# Altium PCB EPS.PcbDoc (part 7 of 11) (continued)
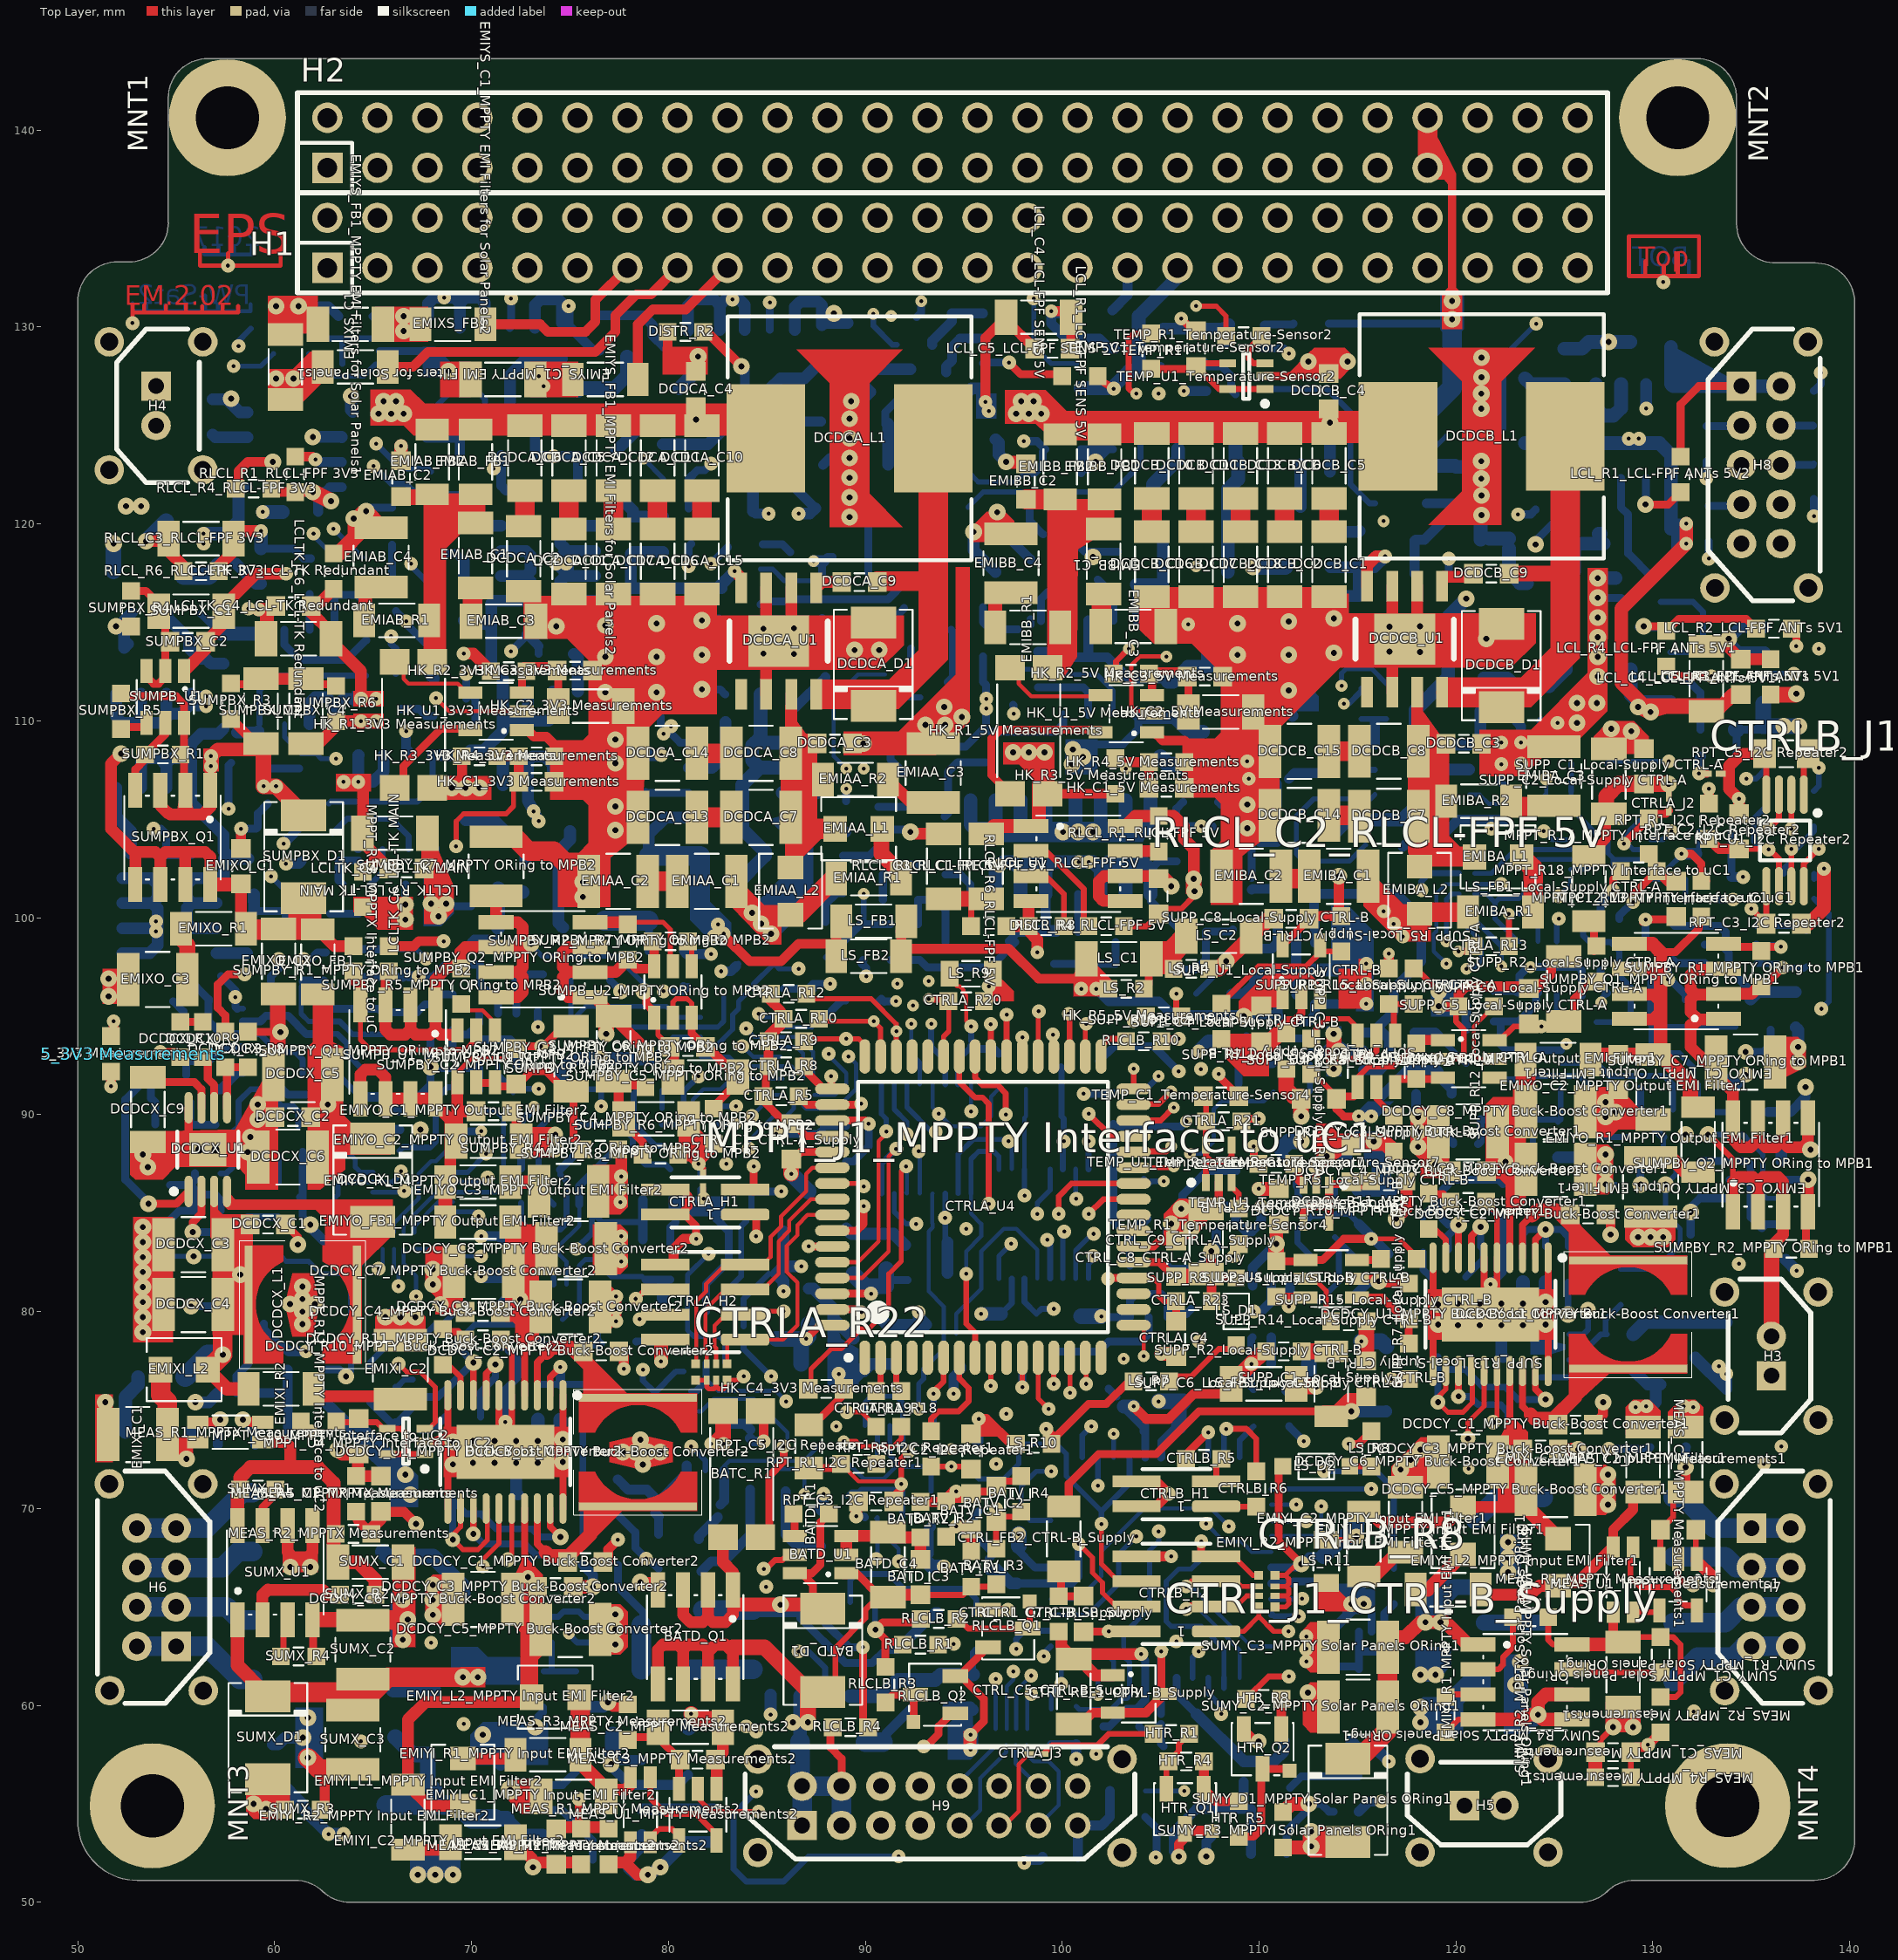
[diagram p0: Top Layer view]
## Nets (pads, with @x,y where several pads share a name; then routed paths per layer and width w, separated by ;. In a path a pad name is that pad's centre, name@x,y a point inside that pad or via, vN(x,y) a via of type N, cw(c..) or ccw(c..) an arc to the next point about the centre after c; other vN are vias at no path point) (continued)
  Top Layer w0.7: SUMPBX_Q1.D@56.731,101.689 EMIXO_C1.1@58.266,101.689
  Signal 1 w0.6: v2(52.197,108.331) 52.197,110.998 57.912,116.713 59.944,116.713 60.579,117.348 v1(60.579,117.475)
NetEMIXO_C3_1: EMIXO_C3.1 EMIXO_R1.1 | length 2.8
  Top Layer w0.8: EMIXO_R1.1@55.119,99.441 55.119,99.059 55.564,98.614 EMIXO_C3.1@55.564,96.863
NetEMIXS_C1_1: EMIXS_C1.1 EMIXS_FB1.1 SUMX_D1.A SUMX_R3.1 | length 93
  Top Layer w0.3: EMIXS_C1.1@65.493,130.137 EMIXS_C1.1@65.874,130.518
  Top Layer w0.5: SUMX_D1.A@59.642,56.242 60.217,56.242 60.53,55.929 SUMX_R3.1@60.53,54.699
  Power w1: v2(58.928,54.991) 58.928,61.341 57.023,63.246 57.023,69.088 58.039,70.104 58.039,71.726 51.943,77.822 51.943,90.043 52.033,90.133 52.125,90.133 53.086,91.094 53.086,97.536 51.562,99.06 51.562,104.775 53.594,106.807 53.594,108.839 52.578,109.855 52.578,113.538 54.864,115.824 54.864,120.142 55.626,120.904 57.531,120.904 58.42,121.793 58.42,123.952 60.452,125.984 61.849,125.984 62.611,126.746 62.611,127.889 64.897,130.175 66.091,130.175 v2@66.51,129.756
  other v2: 59.563,54.737 66.548,129.794 66.548,130.556
NetEMIXS_C2_1: EMIXS_C2.1 EMIXS_C3.1 EMIXS_FB2.1 EMIXS_FB3.1 SUMX_C2.1 SUMX_C3.1 SUMX_D1.K SUMX_U1.1 | length 63.6
  Top Layer w0.7: SUMX_U1.1@58.113,64.344 58.113,62.029 SUMX_D1.K@59.474,60.668
  Top Layer w1: SUMX_D1.K@59.474,60.668 64.986,60.668 65.748,61.43 v2@69.431,61.43
  Power w1.5: 71.971,61.557 78.524,61.557 78.994,61.087 88.189,61.087 89.078,60.198 95.758,60.198 96.774,59.182 105.664,59.182 108.204,56.642 113.03,56.642 115.913,59.525 117.818,59.525
  other v2: 118.199,59.144 118.199,59.906 69.558,61.43 70.32,61.43
NetEMIXS_FB2_2: EMIXS_FB2.2 EMIXS_T1.4 | length 5.2
  Bottom Layer w0.8: EMIXS_T1.4@65.492,67.804 65.732,67.564 68.042,67.564 69.558,66.048 EMIXS_FB2.2@69.558,65.621
NetEMIXS_FB3_2: EMIXS_FB3.2 EMIXS_T2.4 | length 3
  Bottom Layer w0.8: EMIXS_FB3.2@121.397,64.2 EMIXS_T2.4@124.424,64.2
NetEMIXS_T1_1: EMIXS_T1.1 H6.3 H6.7 | length 6.2
  Bottom Layer w1: H6.7@53,67 H6.3@55,67 57.348,67 58.152,67.804 EMIXS_T1.1@58.892,67.804
NetEMIXS_T1_2: EMIXS_T1.2 H6.4 H6.8 | length 6.6
  Bottom Layer w1: H6.8@53,69 H6.4@55,69 56.554,69 58.358,70.804 EMIXS_T1.2@58.892,70.804
NetEMIXS_T2_1: EMIXS_T2.1 H7.3 H7.7 | length 6.3
  Bottom Layer w1: EMIXS_T2.1@131.024,64.2 133.669,64.2 134.469,65 H7.3@135,65 H7.7@137,65
NetEMIXS_T2_2: EMIXS_T2.2 H7.4 H7.8 | length 6.7
  Bottom Layer w1: EMIXS_T2.2@131.024,61.2 132.27,62.446 134.074,62.446 134.628,63 H7.4@135,63 H7.8@137,63
"NetEMIYI_C1_MPPTY Input EMI Filter1_1": "EMIYI_C1_MPPTY Input EMI Filter1.1" "EMIYI_L2_MPPTY Input EMI Filter1.2" "EMIYI_R1_MPPTY Input EMI Filter1.1" "MEAS_R1_MPPTY Measurements1.4" | length 10.2
  Top Layer w0.5: 127.986,68.033 127.986,68.931 128.994,69.939 128.994,70.574
  Top Layer w0.6: 121.246,65.875 121.5,65.621 123.787,65.621 124.238,66.072 125.184,66.072 ; 125.692,66.256 126.209,66.256 127.986,68.033
"NetEMIYI_C1_MPPTY Input EMI Filter2_1": "EMIYI_C1_MPPTY Input EMI Filter2.1" "EMIYI_L2_MPPTY Input EMI Filter2.2" "EMIYI_R1_MPPTY Input EMI Filter2.1" "MEAS_R1_MPPTY Measurements2.4" | length 7.1
  Top Layer w0.6: 76.796,55.461 77.05,55.715 77.813,55.715 78.075,55.977 78.075,56.349
  Top Layer w0.7: 75.526,57.493 75.526,57.062 76.669,55.919 76.669,55.461
  Top Layer w1: 75.457,60.16 75.526,60.091 75.526,57.493
"NetEMIYI_C2_MPPTY Input EMI Filter1_1": "EMIYI_C2_MPPTY Input EMI Filter1.1" "EMIYI_R2_MPPTY Input EMI Filter1.1" | length 2.6
  Top Layer w0.7: 115.316,66.675 115.95,66.675 117.056,67.781 117.437,67.781
"NetEMIYI_C2_MPPTY Input EMI Filter2_1": "EMIYI_C2_MPPTY Input EMI Filter2.1" "EMIYI_R2_MPPTY Input EMI Filter2.1" | length 2.3
  Top Layer w0.6: 66.764,52.668 68.544,52.668 68.924,53.048
"NetEMIYI_L1_MPPTY Input EMI Filter1_2": "EMIYI_L1_MPPTY Input EMI Filter1.2" "EMIYI_R1_MPPTY Input EMI Filter1.2" | length 3.2
  Top Layer w0.7: 117.946,65.875 118.567,65.875 120.358,67.666
"NetEMIYI_L1_MPPTY Input EMI Filter2_2": "EMIYI_L1_MPPTY Input EMI Filter2.2" "EMIYI_R1_MPPTY Input EMI Filter2.2" | length 2.7
  Top Layer w0.6: 69.558,57.296 72.029,57.296 72.226,57.493
"NetEMIYO_C1_MPPTY Output EMI Filter1_1": "EMIYO_C1_MPPTY Output EMI Filter1.1" "EMIYO_C2_MPPTY Output EMI Filter1.1" "EMIYO_FB1_MPPTY Output EMI Filter1.1" "EMIYO_R1_MPPTY Output EMI Filter1.2" "MPPT_R13_MPPTY Interface to uC1.2" "SUMPB_U1_MPPTY ORing to MPB1.1" "SUMPBY_C1_MPPTY ORing to MPB1.1" "SUMPBY_C2_MPPTY ORing to MPB1.1" "SUMPBY_Q1_MPPTY ORing to MPB1.D" | length 26
  Top Layer w0.4: 130.391,98.26 131.153,98.26 132.334,99.441 132.334,99.822
  Top Layer w0.6: 128.646,94.826 130.005,94.826 130.264,95.085 ; 128.646,96.096 130.015,96.096 130.264,95.847 ; 128.646,97.366 130.015,97.366 130.264,97.117
  Top Layer w0.7: 126.834,92.799 127.087,93.052 130.01,93.052 130.391,93.433 130.391,98.26 129.977,98.674 128.811,98.674
  Top Layer w0.8: 130.01,93.052 130.392,93.052 131.915,91.529 131.915,90.64
  Bottom Layer w0.4: 131.662,95.847 131.662,96.1 130.772,96.99 130.772,97.614 131.026,97.868 131.203,97.691 132.637,97.691
  other v1: 130.772,96.863
"NetEMIYO_C1_MPPTY Output EMI Filter2_1": "EMIYO_C1_MPPTY Output EMI Filter2.1" "EMIYO_C2_MPPTY Output EMI Filter2.1" "EMIYO_FB1_MPPTY Output EMI Filter2.1" "EMIYO_R1_MPPTY Output EMI Filter2.2" "MPPT_R13_MPPTY Interface to uC2.2" "SUMPB_U1_MPPTY ORing to MPB2.1" "SUMPBY_C1_MPPTY ORing to MPB2.1" "SUMPBY_C2_MPPTY ORing to MPB2.1" "SUMPBY_Q1_MPPTY ORing to MPB2.D" | length 33.2
  Top Layer w0.254: 69.281,91.654 69.281,92.141 69.977,92.837 71.628,92.837 72.147,93.356 72.263,93.356 72.39,93.356
  Top Layer w0.4: 72.39,93.356 72.506,93.472 v1(73.533,93.472) 73.533,93.355 74.729,94.551 74.993,94.551
  Top Layer w0.6: 64.351,91.067 64.351,92.037 64.605,92.291 65.24,92.291 65.621,91.91 65.621,90.813 68.166,90.813 ; 68.224,90.449 68.924,89.75 68.924,86.576 ; 69.178,88.608 69.216,88.646 69.281,88.711 69.281,90.17 ; 69.281,91.654 69.281,90.17 ; 70.347,90.17 70.22,90.17 69.281,90.17
  Top Layer w0.7: 68.67,86.576 68.67,84.545 68.671,84.544
  Power w0.4: v1(73.533,93.472) 75.184,95.123 79.248,95.123 79.756,95.631 v1(79.756,96.266)
  Signal 2 w0.4: v1@73.533,93.355 v1(73.533,93.472)
  Bottom Layer w0.4: v1(79.756,96.266) 80.761,96.266 80.888,96.393 ; 80.761,96.52 80.888,96.393 ; 80.977,96.482 80.888,96.393
"NetEMIYO_C3_MPPTY Output EMI Filter1_1": "EMIYO_C3_MPPTY Output EMI Filter1.1" "EMIYO_R1_MPPTY Output EMI Filter1.1" | length 2.7
  Top Layer w0.7: 129.883,87.822 130.923,87.822 131.66,87.085 132.296,87.085
"NetEMIYO_C3_MPPTY Output EMI Filter2_1": "EMIYO_C3_MPPTY Output EMI Filter2.1" "EMIYO_R1_MPPTY Output EMI Filter2.1" | length 1.7
  Top Layer w0.7: 71.97,86.576 73.138,86.576 73.519,86.195
"NetEMIYS_C1_MPPTY EMI Filters for Solar Panels1_1": "EMIYS_C1_MPPTY EMI Filters for Solar Panels1.1" "EMIYS_FB1_MPPTY EMI Filters for Solar Panels1.1" "SUMY_D1_MPPTY Solar Panels ORing1.A" "SUMY_R3_MPPTY Solar Panels ORing1.1" | length 140.6
  Top Layer w0.7: 111.214,52.783 112.6,52.783 v2(112.649,52.832)
  Signal 1 w0.7: v2@61.049,127.47 v2(60.96,127.381) 60.884,127.305 60.884,119.685 59.055,117.856 53.086,117.856 50.965,115.735 50.965,99.276 53.086,97.155 53.086,91.306 51.816,90.036 51.816,77.978 57.912,71.882 57.912,58.42 61.087,55.245 63.627,55.245 65.659,53.213 80.518,53.213 82.677,51.054 108.839,51.054 110.617,52.832 v2(112.649,52.832)
  other v2: 112.649,53.594 60.071,127.381
"NetEMIYS_C1_MPPTY EMI Filters for Solar Panels2_1": "EMIYS_C1_MPPTY EMI Filters for Solar Panels2.1" "EMIYS_FB1_MPPTY EMI Filters for Solar Panels2.1" "SUMY_D1_MPPTY Solar Panels ORing2.A" "SUMY_R3_MPPTY Solar Panels ORing2.1" | length 108.9
  Signal 1 w0.8: v2(53.213,120.904) 56.769,120.904 58.547,122.682 58.547,124.714 58.928,125.095 58.928,128.016 59.436,128.524 62.611,128.524 63.615,127.52 67.044,127.52 68.199,126.365 72.453,126.365 v1@73.374,127.286
  Signal 2 w1: v2(52.451,120.904) v2(53.213,120.904) 53.467,120.904 54.737,119.634 54.737,114.935 53.594,113.792 53.594,107.442 51.689,105.537 51.689,99.441 53.086,98.044 53.086,91.094 52.125,90.133 52.033,90.133 51.816,89.916 51.816,77.216 55.118,73.914 56.134,73.914 58.42,71.628 58.42,57.785 v1(62.738,53.467)
  Bottom Layer w0.6: 59.906,56.212 60.18,56.212 61.449,54.943 61.449,54.756 v1(62.738,53.467) v1(63.5,53.467)
  other v1: 73.66,127 73.406,127.508
"NetEMIYS_C2_MPPTY EMI Filters for Solar Panels1_1": "EMIYS_C2_MPPTY EMI Filters for Solar Panels1.1" "EMIYS_FB2_MPPTY EMI Filters for Solar Panels1.1" "SUMY_C2_MPPTY Solar Panels ORing1.1" "SUMY_C3_MPPTY Solar Panels ORing1.1" "SUMY_D1_MPPTY Solar Panels ORing1.K" "SUMY_U1_MPPTY Solar Panels ORing1.1" | length 12.3
  Top Layer w0.7: 116.421,63.462 117.437,63.462 118.199,64.224 v2(118.453,64.224) v2(119.215,64.224) 119.469,64.224 120.597,63.096 121.113,63.096
  Top Layer w1: 114.506,57.287 115.072,57.287 116.524,58.739 116.524,59.906 116.524,62.954
"NetEMIYS_C2_MPPTY EMI Filters for Solar Panels2_1": "EMIYS_C2_MPPTY EMI Filters for Solar Panels2.1" "EMIYS_FB2_MPPTY EMI Filters for Solar Panels2.1" "SUMY_C2_MPPTY Solar Panels ORing2.1" "SUMY_C3_MPPTY Solar Panels ORing2.1" "SUMY_D1_MPPTY Solar Panels ORing2.K" "SUMY_U1_MPPTY Solar Panels ORing2.1" | length 12.6
  Bottom Layer w0.6: 71.796,54.239 72.606,53.429 73.622,53.429
  Bottom Layer w0.8: 66.128,58.382 67.016,57.494 67.78,57.494 67.78,56.048 68.161,55.667 ; 71.209,54.239 71.796,54.239
  Bottom Layer w1: 65.669,54.943 69.314,54.943 70.018,54.239 71.209,54.239
"NetEMIYS_FB2_MPPTY EMI Filters for Solar Panels1_2": "EMIYS_FB2_MPPTY EMI Filters for Solar Panels1.2" "EMIYS_T1_MPPTY EMI Filters for Solar Panels1.4" | length 3.9
  Bottom Layer w1: 120.993,69.43 122.113,70.55 124.424,70.55
"NetEMIYS_FB2_MPPTY EMI Filters for Solar Panels2_2": "EMIYS_FB2_MPPTY EMI Filters for Solar Panels2.2" "EMIYS_T1_MPPTY EMI Filters for Solar Panels2.4" | length 2
  Bottom Layer w0.8: 66.025,60.794 67.78,60.794 68.034,60.794
"NetEMIYS_T1_MPPTY EMI Filters for Solar Panels1_1": "EMIYS_T1_MPPTY EMI Filters for Solar Panels1.1" H7.1 H7.5 | length 6.6
  Bottom Layer w1: 131.024,70.55 131.558,70.55 133.108,69 H7.1@135,69 H7.5@137,69
"NetEMIYS_T1_MPPTY EMI Filters for Solar Panels1_2": "EMIYS_T1_MPPTY EMI Filters for Solar Panels1.2" H7.2 H7.6 | length 6.2
  Bottom Layer w1: 131.024,67.55 133.669,67.55 134.219,67 H7.2@135,67 H7.6@137,67
"NetEMIYS_T1_MPPTY EMI Filters for Solar Panels2_1": "EMIYS_T1_MPPTY EMI Filters for Solar Panels2.1" H6.1 H6.5 | length 6.6
  Bottom Layer w1: H6.5@53,63 H6.1@55,63 56.558,63 58.231,61.327 58.892,61.327
"NetEMIYS_T1_MPPTY EMI Filters for Solar Panels2_2": "EMIYS_T1_MPPTY EMI Filters for Solar Panels2.2" H6.2 H6.6 | length 6.2
  Bottom Layer w1: H6.6@53,65 H6.2@55,65 57.555,65 58.228,64.327 58.892,64.327
NetH3_1: H3.1 H4.1 RBL_C1.1 RBL_C3.1 RBL_Q1.S RBL_Q3.S RBL_R1.1 RBL_R3.1 RBL_R6.1 RBL_R8.1 | length 165
  Signal 1 w1: H4.1@53.975,127 53.975,129.54 55.626,131.191 57.531,131.191 58.928,129.794 64.008,129.794 65.136,128.666 67.706,128.666 68.326,129.286 74.422,129.286 75.565,128.143 75.565,124.079 77.978,121.666 83.693,121.666 84.455,122.428 86.614,122.428 87.884,121.158 87.884,119.761 88.773,118.872 88.773,115.443 88.011,114.681 88.011,113.157 96.802,104.366 v1(96.802,102.644) ; 101.092,102.489 103.759,99.822 108.077,99.822 111.506,103.251 125.095,103.251 126.619,101.727 126.619,100.584 129.032,98.171 133.477,98.171 136.144,95.504 136.144,86.487 131.826,82.169 131.826,79.629 132.715,78.74 133.604,78.74 135.604,76.74 H3.1@136.017,76.74
  Bottom Layer w0.4: RBL_R3.1@91.275,97.868 92.759,97.868 93.15,97.477 96.333,97.477 RBL_C1.1@97.624,98.768 ; RBL_C1.1@97.281,98.806 RBL_C1.1@97.408,98.933 RBL_C1.1@97.8,99.325 ; 104.488,102.446 104.912,102.87 RBL_R8.1@105.814,102.87 ; RBL_Q3.S@104.502,101.18 104.502,100.857 106.006,99.353 RBL_C3.1@106.006,99.022
  Bottom Layer w0.5: 99.154,99.358 RBL_Q1.S@99.154,101.194
  Bottom Layer w0.6: RBL_C1.1@97.8,99.325 99.121,99.325 ; 99.154,99.358 99.121,99.325 ; RBL_R6.1@99.695,99.325 99.121,99.325
  Bottom Layer w0.7: RBL_Q1.S@96.614,101.194 96.614,102.456 v1(96.802,102.644) 96.99,102.832 97.498,102.832 97.884,102.446 ; RBL_Q1.S@97.884,101.194 97.884,102.446 ; RBL_Q1.S@99.154,101.194 99.154,102.446 ; RBL_Q3.S@101.948,101.194 101.948,102.456 ; RBL_Q3.S@103.218,101.194 103.218,102.446 ; RBL_Q3.S@104.488,101.194 104.488,102.446 104.102,102.832 103.594,102.832 103.218,102.456 103.218,102.446 ; 97.884,102.446 97.884,102.456 98.26,102.832 98.768,102.832 99.154,102.446 ; 99.154,102.446 99.154,102.456 99.53,102.832 v1(100.838,102.832) v1(101.346,102.832) 101.572,102.832 101.948,102.456 ; 101.948,102.456 102.324,102.832 102.832,102.832 103.218,102.446
NetH5_2: H5.2 RBL_C2.1 RBL_C4.1 RBL_R3.2 RBL_R5.1 RBL_R8.2 RBL_R10.1 | length 95.3
  Signal 2 w0.4: v1(107.061,104.648) 108.458,103.251 110.363,103.251 111.506,104.394 118.237,104.394 121.412,101.219 121.412,94.488 123.952,91.948 123.952,86.36 127.762,82.55 127.762,79.629 125.349,77.216 125.349,75.874 125.352,75.871 125.352,74.298 124.841,73.787 124.841,61.468 122.426,59.053 H5.2@122.426,54.915
  Control Signals 2 w0.3: v3(89.916,101.219) 102.616,101.219 106.045,104.648 v1(107.061,104.648)
  Bottom Layer w0.254: RBL_R5.1@87.973,97.995 RBL_R5.1@88.089,97.995 ; RBL_C2.1@89.762,99.668 RBL_C2.1@89.878,99.668
  Bottom Layer w0.3: RBL_C2.1@89.789,99.706 89.916,99.833 v3(89.916,101.219)
  Bottom Layer w0.4: RBL_R5.1@88.089,97.995 RBL_C2.1@89.762,99.668 ; RBL_C2.1@89.878,99.668 RBL_R3.2@91.275,99.668 ; RBL_C4.1@106.134,105.88 105.791,105.537 105.791,104.621 105.818,104.648 v1(107.061,104.648) 107.631,104.648 RBL_R10.1@107.658,104.621
NetH8_1: "LCL_C2_LCL-FPF ANTs 5V1.1" "LCL_C2_LCL-FPF ANTs 5V2.1" "LCL_R1_LCL-FPF ANTs 5V1.2" "LCL_R1_LCL-FPF ANTs 5V2.2" "LCL_U1_LCL-FPF ANTs 5V1.8" "LCL_U1_LCL-FPF ANTs 5V2.8" H8.1 H8.6 | length 45.1
  Top Layer w0.4: 131.407,123.417 131.407,126.073 132.334,127 H8.1@134.5,127
  Power w0.8: H8.6@136.5,127 H8.1@134.5,127 132.588,127 130.683,125.095 130.683,112.522 133.477,109.728 v2(136.652,109.728)
  Bottom Layer w0.4: 134.212,109.563 135.587,109.563 135.587,109.728 ; 134.25,108.204 134.25,109.525 ; 135.598,109.574 135.752,109.728
  Bottom Layer w0.7: 130.92,128.98 130.92,127.11 131.03,127 H8.1@134.5,127 H8.6@136.5,127
  Bottom Layer w0.8: 134.212,109.563 134.25,109.525 ; 135.587,109.728 135.598,109.739 135.598,110.871 ; 135.752,109.728 v2(136.652,109.728)
  other v2: 137.414,109.728
NetH9_16: H9.16 HTR_R2.1 | length 9.1
  Power w0.4: H9.16@100.79,55.898 102.471,55.898 104.775,53.594 106.045,53.594 v2(107.315,52.324)
  Bottom Layer w0.5: v2(107.315,52.324) 107.315,53.075 HTR_R2.1@107.58,53.34
"NetHK_C2_3V3 Measurements_1": "HK_C2_3V3 Measurements.1" "HK_C3_3V3 Measurements.1" "HK_R2_3V3 Measurements.2" "HK_U1_3V3 Measurements.3" | length 4.4
  Top Layer w0.4: 72.56,111.75 72.56,112.692 72.644,112.776 74.124,112.776 74.35,112.55 ; 74.4,110.75 74.4,112.3
"NetHK_C2_5V Measurements_1": "HK_C2_5V Measurements.1" "HK_C3_5V Measurements.1" "HK_R2_5V Measurements.2" "HK_U1_5V Measurements.3" | length 4.7
  Top Layer w0.4: 104.56,111.45 104.56,112.423 104.659,112.522 106.078,112.522 106.35,112.25 ; 106.206,112.107 106.4,111.913 106.4,110.45
"NetHK_C2_VBAT Measurements_1": "HK_C2_VBAT Measurements.1" "HK_C3_VBAT Measurements.1" "HK_R2_VBAT Measurements.2" "HK_U1_VBAT Measurements.3" | length 5.8
  Bottom Layer w0.5: 117.9,117.475 117.9,119.15 ; 117.95,119.2 118.4,119.2 120,120.8 ; 118.51,121.05 119.95,121.05
"NetHK_R1_3V3 Measurements_2": "HK_R1_3V3 Measurements.2" "HK_U1_3V3 Measurements.4" | length 4.7
  Top Layer w0.208: 66.1,113 66.548,112.552 66.548,112.141 66.802,111.887 69.302,111.887 69.749,111.44 69.937,111.44
"NetHK_R1_3V3 Measurements_3": "HK_R1_3V3 Measurements.3" "HK_U1_3V3 Measurements.5" | length 5.2
  Top Layer w0.4: 66.15,106.6 66.548,106.998 66.548,107.696 68.453,109.601 69.691,109.601
"NetHK_R1_3V3 Measurements_4": "HK_R1_3V3 Measurements.4" "HK_R3_3V3 Measurements.1" "LCL_C1_LCL-FPF CAMnadir 3V3.1" "LCL_C1_LCL-FPF CAMwing 3V3.1" "LCL_C1_LCL-FPF SunS 3V3.1" "LCL_C4_LCL-FPF CAMnadir 3V3.1" "LCL_C4_LCL-FPF CAMwing 3V3.1" "LCL_C4_LCL-FPF SunS 3V3.1" "LCL_C5_LCL-FPF CAMnadir 3V3.1" "LCL_C5_LCL-FPF CAMwing 3V3.1" "LCL_C5_LCL-FPF SunS 3V3.1" "LCL_U1_LCL-FPF CAMnadir 3V3.1" "LCL_U1_LCL-FPF CAMwing 3V3.1" "LCL_U1_LCL-FPF SunS 3V3.1" "RLCL_C1_RLCL-FPF 3V3.1" "RLCL_U1_RLCL-FPF 3V3.1" | length 137
  Top Layer w0.5: 67.95,106.6 67.997,106.611 68.942,106.84 69.524,106.981 69.524,108.132
  Power w0.6: v1(56.388,118.999) 58.039,118.999 58.547,118.491 65.024,118.491 70.612,124.079 73.533,124.079 v1(74.168,123.444)
  Signal 1 w0.6: v2(69.7,106.6) v2(70.4,106.6) 75.692,111.892 75.692,117.348 77.978,119.634 ; v1(74.168,123.444) 77.978,119.634 ; v1(86.614,120.523) 85.725,119.634 77.978,119.634
  Control Signals 2 w1: v1(86.614,120.523) 86.614,126.619 88.138,128.143 93.218,128.143 94.451,129.376 106.336,129.376 109.601,126.111 109.601,122.174 115.57,116.205 v2(120.523,116.205)
  Bottom Layer w0.5: 57.403,119.507 57.911,120.015 58.166,120.27 ; 58.166,121.867 58.629,121.867 ; 73.3,125.1 73.22,125.18 73.22,123.58 73.3,123.5 73.35,123.45 75.4,123.45 75.4,122.05 75.05,121.7 ; 87.45,120.8 86.36,121.89 86.36,124.46 86.42,124.52 86.42,125.08 86.54,125.2 87.75,125.2 ; 113.7,104.3 113.952,104.3 114.632,104.98 115.88,104.98
  Bottom Layer w0.6: 58.166,120.27 58.166,121.867 ; v1(86.614,120.523) 87.173,120.523 87.45,120.8
  Bottom Layer w0.7: v1(56.388,119.507) 57.403,119.507 ; 115.88,104.98 117.28,104.98 117.95,105.65 117.95,110.5 117.95,110.55 119.6,112.2 119.6,115.282 v2(120.523,116.205)
  other v2: 69,106.6
"NetHK_R1_5V Measurements_2": "HK_R1_5V Measurements.2" "HK_U1_5V Measurements.4" | length 5.5
  Top Layer w0.208: 97.35,112.7 97.79,112.26 97.79,111.887 98.425,111.252 101.742,111.252 101.94,111.45
"NetHK_R1_5V Measurements_3": "HK_R1_5V Measurements.3" "HK_U1_5V Measurements.5" | length 8.9
  Top Layer w0.4: 97.35,106.3 96.4,107.25 96.4,109.1 96.85,109.55 101.94,109.55
"NetHK_R1_5V Measurements_4": "HK_R1_5V Measurements.4" "HK_R3_5V Measurements.1" "LCL_C1_LCL-FPF ANTs 5V1.1" "LCL_C1_LCL-FPF ANTs 5V2.1" "LCL_C1_LCL-FPF SENS 5V.1" "LCL_C4_LCL-FPF ANTs 5V1.1" "LCL_C4_LCL-FPF ANTs 5V2.1" "LCL_C4_LCL-FPF SENS 5V.1" "LCL_C5_LCL-FPF ANTs 5V1.1" "LCL_C5_LCL-FPF ANTs 5V2.1" "LCL_C5_LCL-FPF SENS 5V.1" "LCL_U1_LCL-FPF ANTs 5V1.1" "LCL_U1_LCL-FPF ANTs 5V2.1" "LCL_U1_LCL-FPF SENS 5V.1" "RLCL_C1_RLCL-FPF 5V.1" "RLCL_U1_RLCL-FPF 5V.1" | length 102.3
  Top Layer w0.5: v1(96.1,126.2) 96.1,129.45 97.15,130.5 97.15,130.35 98.6,128.9 ; 99.95,106.3 102.7,106.3
  Top Layer w0.7: 96.139,104.266 96.536,104.663 98.418,104.663 ; 98.806,104.648 98.806,107.569 ; v2@129.718,110.707 132.677,110.707 132.736,110.701 133.371,110.638 134.063,111.33 134.455,111.33 ; v2(129.883,110.452) 128.397,111.938 128.397,115.697 v1(131.699,118.999) v1(131.699,120.015)
  Signal 2 w1: v1(96.266,125.73) 95.25,124.714 95.25,122.936 96.393,121.793 98.933,121.793 ; v2@98.933,108.458 98.933,121.793 ; v1(128.778,124.333) 128.524,124.587 117.094,124.587 115.316,122.809 103.886,122.809 102.87,121.793 98.933,121.793
  Bottom Layer w0.6: 92.926,125.437 93.18,125.437 93.941,125.437 95.384,126.88 95.98,126.88
  Bottom Layer w0.7: 123.5,124.1 125.5,124.1 130.332,124.1 130.92,123.512 130.92,122.33 130.92,119.77 ; 128.866,112.611 128.866,111.344 129.248,110.962 v2(129.248,110.706) 129.487,110.945 130.892,110.945
  other v1: 129.286,124.333
  other v2: 97.5,108.4 98.3,108.4 99.1,108.4
"NetHK_R1_VBAT Measurements_2": "HK_R1_VBAT Measurements.2" "HK_U1_VBAT Measurements.4" | length 10
  Bottom Layer w0.3: 110.4,126.85 113.45,126.85 114.643,125.657 114.643,122.009 115.602,121.05 115.89,121.05
"NetHK_R1_VBAT Measurements_3": "HK_R1_VBAT Measurements.3" "HK_U1_VBAT Measurements.5" | length 5.4
  Bottom Layer w0.3: 115.89,122.95 115.607,122.95 115.443,123.114 115.443,126.492 115.801,126.85 116.8,126.85
"NetHK_R5_3V3 Measurements_1": "HK_R5_3V3 Measurements.1" "HK_U1_3V3 Measurements.2" | length 45.2
  Top Layer w0.208: v1(68.199,111.153) 68.862,110.49 72.557,110.49
  Top Layer w0.254: 51.689,93.991 51.816,94.118
  Top Layer w0.5: 51.816,94.118 v1(51.816,94.742)
  Control Signals 1 w0.254: v1(51.816,94.742) 53.086,96.012 53.086,97.917 52.07,98.933 52.07,105.156 54.356,107.442 54.356,113.03 57.912,116.586 66.167,116.586 68.199,114.554 v1(68.199,111.153)
"NetHK_R5_5V Measurements_1": "HK_R5_5V Measurements.1" "HK_U1_5V Measurements.2" | length 24.7
  Top Layer w0.208: 104.56,110.5 103.749,110.5 103.505,110.744 103.505,112.829 103.948,113.273 v3(105.283,113.273)
  Top Layer w0.3: v1(105.791,96.139) 105.791,95.261 106.056,94.996
  Signal 2 w0.3: v3(105.283,113.273) 104.14,112.13 104.14,97.79 v1(105.791,96.139)
"NetHK_R5_VBAT Measurements_1": "HK_R5_VBAT Measurements.1" "HK_U1_VBAT Measurements.2" | length 5.4
  Bottom Layer w0.254: 118.51,122 117.395,122 117.094,122.301 117.094,123.19 117.729,123.825 118.861,123.825 119.496,124.46
NetHTR_Q1_B: HTR_Q1.B HTR_R4.1 HTR_R5.2 | length 3.6
  Top Layer w0.5: HTR_R4.1@107.199,57.15 107.199,55.764 HTR_Q1.B@107.188,55.753 107.812,55.129 HTR_R5.2@108.966,55.129 HTR_R5.2@109.093,55.129
NetHTR_Q1_C: HTR_Q1.C HTR_Q1.Shield HTR_Q3.D HTR_Q3.Shield HTR_R2.2 HTR_R3.2 | length 12
  Top Layer w0.5: v4(105.918,52.324) 105.918,52.959 106.238,53.279 HTR_Q1.C@106.238,53.728 106.338,53.628 HTR_Q1.Shield@107.613,53.628
  Bottom Layer w0.5: v4(105.918,52.324) 105.653,52.589 HTR_R2.2@105.653,53.34 105.653,53.583 106.807,54.737 109.208,54.737 HTR_Q3.Shield@109.208,56.112 ; HTR_R3.2@109.59,52.451 HTR_Q3.D@109.59,54.737
NetHTR_Q1_E: HTR_Q1.E HTR_R1.1 HTR_R4.2 | length 3.1
  Top Layer w0.3: HTR_Q1.E@105.288,55.753 105.288,57.039 HTR_R4.2@105.399,57.15 105.918,57.669 105.918,58.028 HTR_R1.1@106.31,58.42
NetHTR_Q2_B: HTR_Q2.B HTR_R8.1 | length 0.8
  Top Layer w0.5: HTR_Q2.B@111.125,59.436 HTR_R8.1@111.125,60.26
NetHTR_Q2_C: HTR_Q2.C HTR_Q2.Shield HTR_R5.1 | length 5.4
  Top Layer w0.4: HTR_R5.1@109.093,53.329 109.717,53.329 110.109,53.721 110.109,56.515 HTR_Q2.C@110.359,56.765 ; HTR_Q2.C@110.363,56.769 HTR_Q2.C@110.359,56.765 ; HTR_Q2.Shield@111.385,56.765 HTR_Q2.C@110.359,56.765
NetHTR_Q3_G: HTR_Q3.G HTR_R6.2 HTR_R7.2 | length 3.7
  Bottom Layer w0.4: HTR_Q3.G@111.567,55.814 112.152,56.399 HTR_R7.2@113.792,56.399 113.803,56.388 HTR_R6.2@115.051,56.388
"NetLCL_C1_LCL-FPF ANTs 5V1_2": "LCL_C1_LCL-FPF ANTs 5V1.2" "LCL_C3_LCL-FPF ANTs 5V1.1" "LCL_R5_LCL-FPF ANTs 5V1.2" | length 4.1
  Bottom Layer w0.7: 124.46,111.771 124.726,111.771 125.566,112.611 125.566,115.276 125.564,115.278
"NetLCL_C1_LCL-FPF ANTs 5V2_2": "LCL_C1_LCL-FPF ANTs 5V2.2" "LCL_C3_LCL-FPF ANTs 5V2.1" "LCL_R5_LCL-FPF ANTs 5V2.2" | length 3.7
  Bottom Layer w0.7: 125.4,117 125.987,117.587 125.987,118.75 126.237,119 127.5,119 ; 127.25,119.5 127.35,119.5
"NetLCL_C1_LCL-FPF CAMnadir 3V3_2": "LCL_C1_LCL-FPF CAMnadir 3V3.2" "LCL_C3_LCL-FPF CAMnadir 3V3.1" "LCL_R5_LCL-FPF CAMnadir 3V3.2" | length 4.2
  Bottom Layer w0.4: 91.02,125.057 91.02,125.68 92.048,126.708
  Bottom Layer w0.6: 91.15,123 91.15,125.1
"NetLCL_C1_LCL-FPF CAMwing 3V3_2": "LCL_C1_LCL-FPF CAMwing 3V3.2" "LCL_C3_LCL-FPF CAMwing 3V3.1" "LCL_R5_LCL-FPF CAMwing 3V3.2" | length 3.8
  Bottom Layer w0.7: 75.4,126.75 75.55,126.9 77.25,126.9 77.9,127.55 77.9,128.5
"NetLCL_C1_LCL-FPF SENS 5V_2": "LCL_C1_LCL-FPF SENS 5V.2" "LCL_C3_LCL-FPF SENS 5V.1" "LCL_R5_LCL-FPF SENS 5V.2" | length 5.7
  Bottom Layer w0.3: 93.18,122.137 93.18,123.533 93.688,124.041 94.566,124.041 94.82,124.295
  Bottom Layer w0.7: 93.18,122.137 93.56,121.757 93.56,119.977
"NetLCL_C1_LCL-FPF SunS 3V3_2": "LCL_C1_LCL-FPF SunS 3V3.2" "LCL_C3_LCL-FPF SunS 3V3.1" "LCL_R5_LCL-FPF SunS 3V3.2" | length 3.1
  Bottom Layer w0.5: 110.9,105.7 110.9,106.807 ; 111.5,107.05 111.8,107.35 113.4,107.35
"NetLCL_C4_LCL-FPF ANTs 5V1_2": "LCL_C4_LCL-FPF ANTs 5V1.2" "LCL_C5_LCL-FPF ANTs 5V1.2" "LCL_R3_LCL-FPF ANTs 5V1.2" "LCL_U1_LCL-FPF ANTs 5V1.5" "LCL_U1_LCL-FPF ANTs 5V1.6" | length 7.3
  Top Layer w0.6: 133.096,113.792 133.793,113.792 134.455,113.13 135.852,113.13
  Bottom Layer w0.6: 135.672,113.485 134.343,113.485 133.858,113.97 v2(133.858,114.173) 134.44,114.755 135.672,114.755
"NetLCL_C4_LCL-FPF ANTs 5V2_2": "LCL_C4_LCL-FPF ANTs 5V2.2" "LCL_C5_LCL-FPF ANTs 5V2.2" "LCL_R3_LCL-FPF ANTs 5V2.2" "LCL_U1_LCL-FPF ANTs 5V2.5" "LCL_U1_LCL-FPF ANTs 5V2.6" | length 9
  Bottom Layer w0.7: 123.5,127.4 123.8,127.1 125.5,127.1 125.5,125.9 125.51,125.89 127.11,125.89 ; 127.11,127.11 127.11,125.89 ; 128.38,127.11 128.38,125.88 128,125.5 127.5,125.5 127.11,125.89
"NetLCL_C4_LCL-FPF CAMnadir 3V3_2": "LCL_C4_LCL-FPF CAMnadir 3V3.2" "LCL_C5_LCL-FPF CAMnadir 3V3.2" "LCL_R3_LCL-FPF CAMnadir 3V3.2" "LCL_U1_LCL-FPF CAMnadir 3V3.5" "LCL_U1_LCL-FPF CAMnadir 3V3.6" | length 21.9
  Signal 2 w0.5: v1(83.25,131.4) 83.25,130.237 85.09,128.397 v1(85.09,120.523)
  Bottom Layer w0.4: 84.3,120.65 84.427,120.523
  Bottom Layer w0.5: 84.427,120.523 v1(85.09,120.523)
  Bottom Layer w0.6: 81,129.8 81,131.1 81.3,131.4 82.32,131.4 82.61,131.11 ; 82.61,129.86 82.61,131.11 ; 83.88,129.86 83.88,131.12 83.6,131.4 v1(83.25,131.4) 82.9,131.4 82.61,131.11 ; 84.3,120.65 84.3,122.9
"NetLCL_C4_LCL-FPF CAMwing 3V3_2": "LCL_C4_LCL-FPF CAMwing 3V3.2" "LCL_C5_LCL-FPF CAMwing 3V3.2" "LCL_R3_LCL-FPF CAMwing 3V3.2" "LCL_U1_LCL-FPF CAMwing 3V3.5" "LCL_U1_LCL-FPF CAMwing 3V3.6" | length 18.2
  Signal 2 w0.5: v1(68.61,131.5) 68.61,130.399 71.12,127.889 v1(71.12,122.809)
  Bottom Layer w0.5: 71.5,123.5 71.5,121.95 71.75,121.7
  Bottom Layer w0.6: 67.8,130.529 67.8,131.2 68.1,131.5 v1(68.61,131.5) 69.12,131.5 69.41,131.21 ; 69.41,129.96 69.41,131.21 ; 70.68,129.96 70.68,131.22 70.4,131.5 69.7,131.5 69.41,131.21
"NetLCL_C4_LCL-FPF SENS 5V_2": "LCL_C4_LCL-FPF SENS 5V.2" "LCL_C5_LCL-FPF SENS 5V.2" "LCL_R3_LCL-FPF SENS 5V.2" "LCL_U1_LCL-FPF SENS 5V.5" "LCL_U1_LCL-FPF SENS 5V.6" | length 7.9
  Top Layer w0.5: v1(99.441,130.81) 100.14,130.81 100.45,130.5 100.45,128.95 100.4,128.9
  Bottom Layer w0.5: v1(99.441,130.81) v1@99.441,130.69 ; 100.203,129.413 99.441,130.175 v1@99.441,130.69 ; 100.76,129.42 101.88,129.42 102.4,128.9 102.7,128.9 ; 100.76,130.69 v1@99.441,130.69
"NetLCL_C4_LCL-FPF SunS 3V3_2": "LCL_C4_LCL-FPF SunS 3V3.2" "LCL_C5_LCL-FPF SunS 3V3.2" "LCL_R3_LCL-FPF SunS 3V3.2" "LCL_U1_LCL-FPF SunS 3V3.5" "LCL_U1_LCL-FPF SunS 3V3.6" | length 9.1
  Bottom Layer w0.6: 120.66,107.52 119.58,107.52 119.2,107.9 119.2,108.4 119.59,108.79 120.66,108.79 ; 121.25,108.8 121.25,110.5 121.4,110.65 121.4,112.2 122.623,112.2 123.121,111.702
"NetLCL_R1_LCL-FPF ANTs 5V1_1": "LCL_R1_LCL-FPF ANTs 5V1.1" "LCL_U1_LCL-FPF ANTs 5V1.2" | length 3.7
  Bottom Layer w0.4: 130.892,112.215 131.625,112.215 132.412,111.428 132.412,109.563
"NetLCL_R1_LCL-FPF ANTs 5V2_1": "LCL_R1_LCL-FPF ANTs 5V2.1" "LCL_U1_LCL-FPF ANTs 5V2.2" | length 3.4
  Top Layer w0.4: v2(129.629,120.993) 130.783,120.993 131.407,121.617
  Bottom Layer w0.4: v2(129.629,120.993) 129.65,121.014 129.65,122.33
"NetLCL_R1_LCL-FPF CAMnadir 3V3_1": "LCL_R1_LCL-FPF CAMnadir 3V3.1" "LCL_U1_LCL-FPF CAMnadir 3V3.2" | length 5
  Bottom Layer w0.6: 85.15,125.08 85.15,126.85 85.7,127.4 86.9,127.4 87.8,128.3
"NetLCL_R1_LCL-FPF CAMwing 3V3_1": "LCL_R1_LCL-FPF CAMwing 3V3.1" "LCL_U1_LCL-FPF CAMwing 3V3.2" | length 5.5
  Bottom Layer w0.6: 71.95,125.18 71.95,127.576 72.899,128.525 74.475,128.525 74.6,128.4
"NetLCL_R1_LCL-FPF SENS 5V_1": "LCL_R1_LCL-FPF SENS 5V.1" "LCL_U1_LCL-FPF SENS 5V.2" | length 4.2
  Top Layer w0.4: v1(97.3,128.2) 97.9,127.6 99.9,127.6
  Bottom Layer w0.4: 95.98,128.15 96.03,128.2 v1(97.3,128.2)
"NetLCL_R1_LCL-FPF SunS 3V3_1": "LCL_R1_LCL-FPF SunS 3V3.1" "LCL_U1_LCL-FPF SunS 3V3.2" | length 10.4
  Bottom Layer w0.254: 115.4,103.7 114.57,102.87 112.268,102.87 111.887,103.251 111.887,105.156 112.776,106.045 115.675,106.045 115.88,106.25
"NetLCL_R2_LCL-FPF ANTs 5V1_2": "LCL_R2_LCL-FPF ANTs 5V1.2" "LCL_R4_LCL-FPF ANTs 5V1.1" "LCL_U1_LCL-FPF ANTs 5V1.4" | length 8.2
  Top Layer w0.4: v2(129.54,114.808) 130.44,114.808 130.683,114.565 130.694,114.565 131.318,115.189 134.736,115.189 135.244,114.681
  Bottom Layer w0.4: v2(129.54,114.808) 129.316,114.808 129.263,114.755 130.892,114.755
"NetLCL_R2_LCL-FPF ANTs 5V2_2": "LCL_R2_LCL-FPF ANTs 5V2.2" "LCL_R4_LCL-FPF ANTs 5V2.1" "LCL_U1_LCL-FPF ANTs 5V2.4" | length 3.1
  Bottom Layer w0.4: 124.041,122.528 125.372,122.528 125.5,122.4
  Bottom Layer w0.7: 125.5,122.4 127.04,122.4
"NetLCL_R2_LCL-FPF CAMnadir 3V3_2": "LCL_R2_LCL-FPF CAMnadir 3V3.2" "LCL_R4_LCL-FPF CAMnadir 3V3.1" "LCL_U1_LCL-FPF CAMnadir 3V3.4" | length 3.2
  Bottom Layer w0.6: 79.718,124.052 82.015,124.052 82.639,124.676